# Altium PCB VOU_SOM_CV_V0.0.1.PcbDoc (part 2 of 5) (continued)
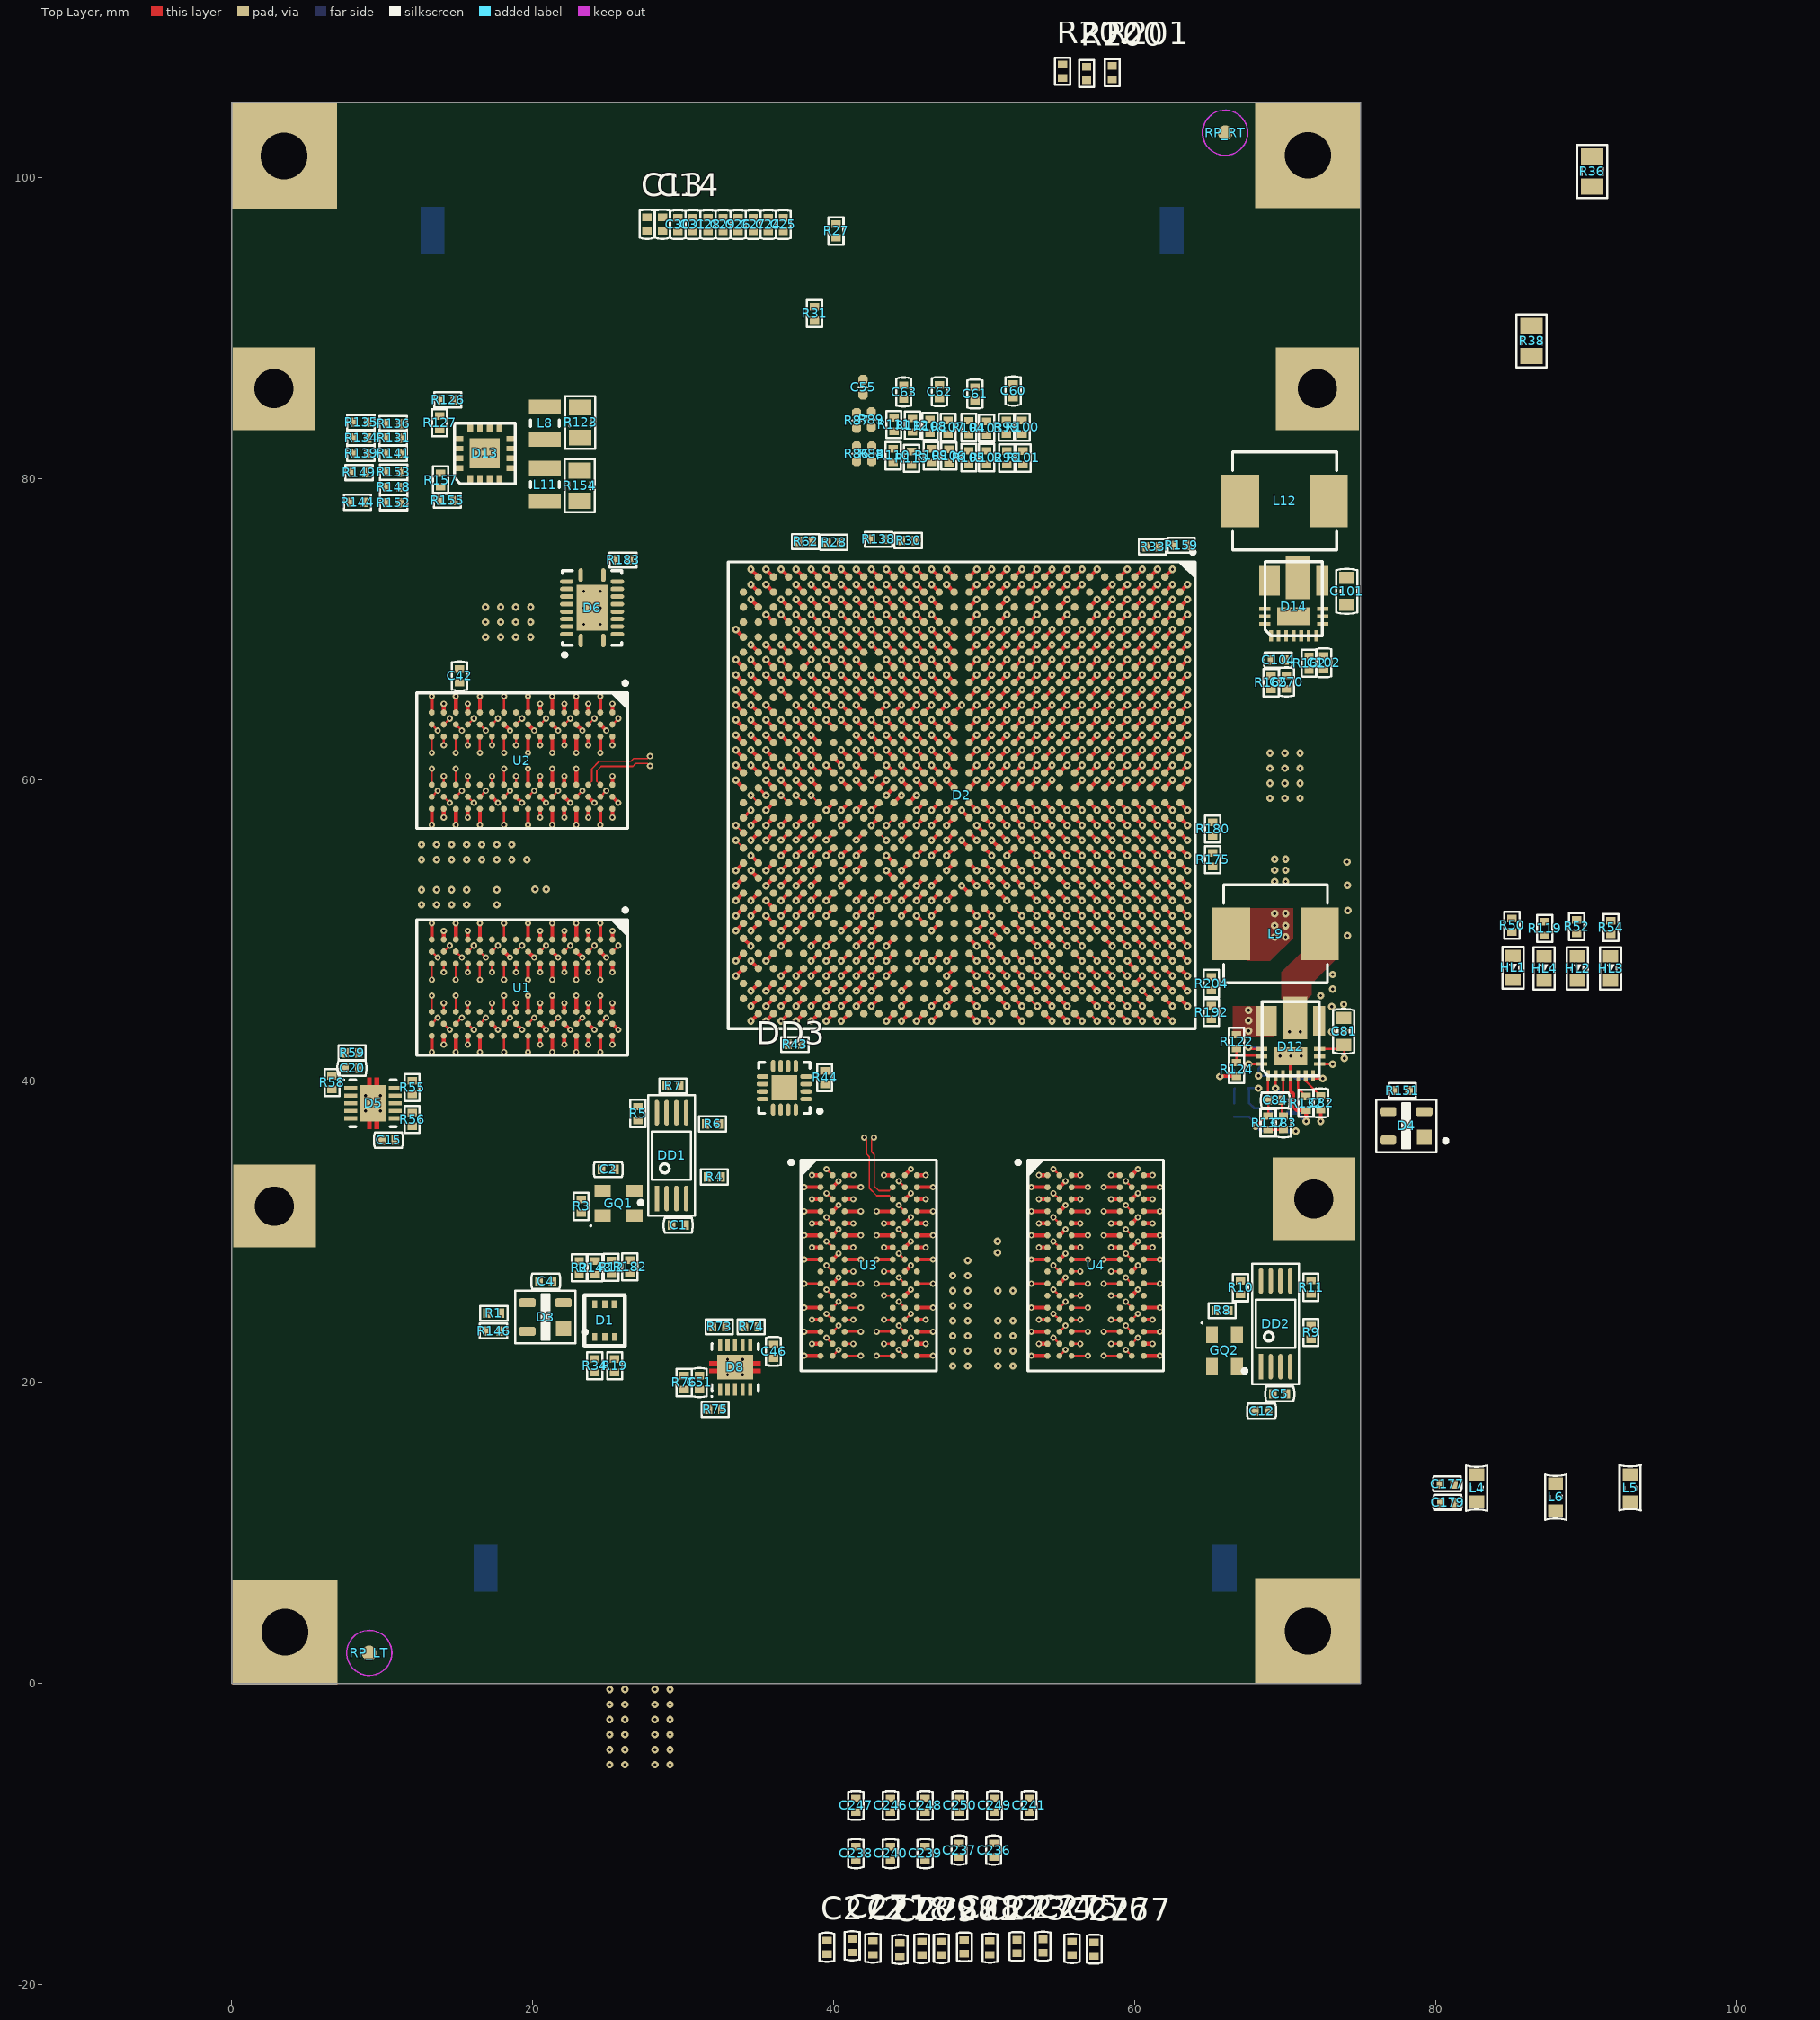
[diagram p0: Top Layer view]
## Footprints (in the part's own frame and the unit in brackets; to place one, negate y for a bottom-side part, rotate by r counter-clockwise, add the part's x,y. Pads: shape width x height; smd on the part's side, far side on the other; paste and mask are expansions set on the pad) (continued)
DCKR [mm]
  rect 0.35x0.5 smd: 1(0.025,-0.813) 2(0.66,-0.813) 3(1.321,-0.813) 4(1.321,1.372) 5(0.66,1.372) 6(0,1.372)
  silkscreen extent -0.69,-1.4 2.01,1.96, body extent -0.34,-0.92 1.66,1.48, height 1.1
DFN210P320X100-4N [mm]
  rect 1.1x0.8 smd: 1(-1.05,-0.825) 2(1.05,-0.825) 3(1.05,0.825) 4(-1.05,0.825)
  silkscreen extent -1.88,-1.54 -1.79,-1.44, body extent -1.6,-1.25 1.6,1.25, height 1
FX10A-168S-SV [mm]
  rect 0.3x1.6 smd mask+0.05: 1(20.745,-3.135) 2(20.745,3.105) 3(20.245,-3.135) 4(20.245,3.105) 5(19.745,-3.135) 6(19.745,3.105) 7(19.245,-3.135) 8(19.245,3.105) 9(18.745,-3.135) 10(18.745,3.105) 11(18.245,-3.135) 12(18.245,3.105) 13(17.745,-3.135) 14(17.745,3.105) 15(17.245,-3.135) 16(17.245,3.105) 17(16.745,-3.135) 18(16.745,3.105) 19(16.245,-3.135) 20(16.245,3.105) 21(15.745,-3.135) 22(15.745,3.105) 23(15.245,-3.135) 24(15.245,3.105) 25(14.745,-3.135) 26(14.745,3.105) 27(14.245,-3.135) 28(14.245,3.105) 29(13.745,-3.135) 30(13.745,3.105) 31(13.245,-3.135) 32(13.245,3.105) 33(12.745,-3.135) 34(12.745,3.105) 35(12.245,-3.135) 36(12.245,3.105) 37(11.745,-3.135) 38(11.745,3.105) 39(11.245,-3.135) 40(11.245,3.105) 41(10.745,-3.135) 42(10.745,3.105) 43(10.245,-3.135) 44(10.245,3.105) 45(9.745,-3.135) 46(9.745,3.105) 47(9.245,-3.135) 48(9.245,3.105) 49(8.745,-3.135) 50(8.745,3.105) 51(8.245,-3.135) 52(8.245,3.105) 53(7.745,-3.135) 54(7.745,3.105) 55(7.245,-3.135) 56(7.245,3.105) 57(6.745,-3.135) 58(6.745,3.105) 59(6.245,-3.135) 60(6.245,3.105) 61(5.745,-3.135) 62(5.745,3.105) 63(5.245,-3.135) 64(5.245,3.105) 65(4.745,-3.135) 66(4.745,3.105) 67(4.245,-3.135) 68(4.245,3.105) 69(3.745,-3.135) 70(3.745,3.105) 71(3.245,-3.135) 72(3.245,3.105) 73(2.745,-3.135) 74(2.745,3.105) 75(2.245,-3.135) 76(2.245,3.105) 77(1.745,-3.135) 78(1.745,3.105) 79(1.245,-3.135) 80(1.245,3.105) 81(0.745,-3.135) 82(0.745,3.105) 83(0.245,-3.135) 84(0.245,3.105) 85(-0.255,-3.135) 86(-0.255,3.105) 87(-0.755,-3.135) 88(-0.755,3.105) 89(-1.255,-3.135) 90(-1.255,3.105) 91(-1.755,-3.135) 92(-1.755,3.105) 93(-2.255,-3.135) 94(-2.255,3.105) 95(-2.755,-3.135) 96(-2.755,3.105) 97(-3.255,-3.135) 98(-3.255,3.105) 99(-3.755,-3.135) 100(-3.755,3.105) 101(-4.255,-3.135) 102(-4.255,3.105) 103(-4.755,-3.135) 104(-4.755,3.105) 105(-5.255,-3.135) 106(-5.255,3.105) 107(-5.755,-3.135) 108(-5.755,3.105) 109(-6.255,-3.135) 110(-6.255,3.105) 111(-6.755,-3.135) 112(-6.755,3.105) 113(-7.255,-3.135) 114(-7.255,3.105) 115(-7.755,-3.135) 116(-7.755,3.105) 117(-8.255,-3.135) 118(-8.255,3.105) 119(-8.755,-3.135) 120(-8.755,3.105) 121(-9.255,-3.135) 122(-9.255,3.105) 123(-9.755,-3.135) 124(-9.755,3.105) 125(-10.255,-3.135) 126(-10.255,3.105) 127(-10.755,-3.135) 128(-10.755,3.105) 129(-11.255,-3.135) 130(-11.255,3.105) 131(-11.755,-3.135) 132(-11.755,3.105) 133(-12.255,-3.135) 134(-12.255,3.105) 135(-12.755,-3.135) 136(-12.755,3.105) 137(-13.255,-3.135) 138(-13.255,3.105) 139(-13.755,-3.135) 140(-13.755,3.105) 141(-14.255,-3.135) 142(-14.255,3.105) 143(-14.755,-3.135) 144(-14.755,3.105) 145(-15.255,-3.135) 146(-15.255,3.105) 147(-15.755,-3.135) 148(-15.755,3.105) 149(-16.255,-3.135) 150(-16.255,3.105) 151(-16.755,-3.135) 152(-16.755,3.105) 153(-17.255,-3.135) 154(-17.255,3.105) 155(-17.755,-3.135) 156(-17.755,3.105) 157(-18.255,-3.135) 158(-18.255,3.105) 159(-18.755,-3.135) 160(-18.755,3.105) 161(-19.255,-3.135) 162(-19.255,3.105) 163(-19.755,-3.135) 164(-19.755,3.105) 165(-20.255,-3.135) 166(-20.255,3.105) 167(-20.755,-3.135) 168(-20.755,3.105)
  Top Layer region: 23.75,-1.55 23.75,1.55 25.35,1.55 25.35,-1.55
  Top Layer region: -25.35,-1.55 -25.35,1.55 -23.75,1.55 -23.75,-1.55
  silkscreen extent -24.55,-4.82 24.55,4.27, body extent -24.55,-3.65 24.55,3.65, height 3.17
IHPL2525 [mm]
  rect 2.5x3.5 smd: 1(-2.95,0) 2(2.95,0)
  silkscreen extent -3.45,-3.25 3.45,3.25, body extent -3.43,-3.23 3.43,3.23, height 3
INDC2720X12L [mm]
  rect 0.99x2.12 smd: 1(-1.085,0) 2(1.085,0)
  silkscreen extent -0.2,-0.96 0.2,0.96, body extent -1.4,-1.1 1.4,1.1, height 1.2
IR3859 [mm]
  rect 0.75x0.25 smd: 1(0,0) 2(0,-0.5) 3(0,-1) 4(0,-1.5) 5(0,-2) 6(0,-2.5) 7(0,-3)
  rect 0.25x0.75 smd: 8(0.78,-3.425) 9(1.28,-3.425) 10(1.78,-3.425) 14(1.78,0.425) 15(1.28,0.425) 16(0.78,0.425)
  rect 1.95x0.8 smd: 11(3.65,-3.395)
  rect 2.82x1.62 smd: 12(3.84,-1.785)
  rect 1.95x1.37 smd: 13(3.65,0.115)
  rect 1.2x2.19 smd: 17(1.3,-1.5)
  silkscreen extent 0,-3.41 4.91,0.41, body extent 0,-3.41 4.91,0.43, height 1
LED0603_GREEN [mm]
  rect 0.8x1 smd: 1(-0.8,0) 2(0.8,0)
  silkscreen extent -1.4,-0.7 1.4,0.7, body extent -0.81,-0.4 0.81,0.4, height 1.1
LED0603_RED [mm]
  rect 0.8x1 smd: 1(-0.8,0) 2(0.8,0)
  silkscreen extent -1.4,-0.7 1.4,0.7, body extent -0.81,-0.4 0.81,0.4, height 1.1
LED0603_YELLOW [mm]
  rect 0.8x1 smd: 1(-0.8,0) 2(0.8,0)
  silkscreen extent -1.4,-0.7 1.4,0.7, body extent -0.81,-0.4 0.81,0.4, height 1.1
MICT-HA-96 [mm]
  round 0.4 smd: A1(-3.2,6) A2(-2.4,6) A3(-1.6,6) A7(1.6,6) A8(2.4,6) A9(3.2,6) B1(-3.2,5.2) B2(-2.4,5.2) B3(-1.6,5.2) B7(1.6,5.2) B8(2.4,5.2) B9(3.2,5.2) C1(-3.2,4.4) C2(-2.4,4.4) C3(-1.6,4.4) C7(1.6,4.4) C8(2.4,4.4) C9(3.2,4.4) D1(-3.2,3.6) D2(-2.4,3.6) D3(-1.6,3.6) D7(1.6,3.6) D8(2.4,3.6) D9(3.2,3.6) E1(-3.2,2.8) E2(-2.4,2.8) E3(-1.6,2.8) E7(1.6,2.8) E8(2.4,2.8) E9(3.2,2.8) F1(-3.2,2) F2(-2.4,2) F3(-1.6,2) F7(1.6,2) F8(2.4,2) F9(3.2,2) G1(-3.2,1.2) G2(-2.4,1.2) G3(-1.6,1.2) G7(1.6,1.2) G8(2.4,1.2) G9(3.2,1.2) H1(-3.2,0.4) H2(-2.4,0.4) H3(-1.6,0.4) H7(1.6,0.4) H8(2.4,0.4) H9(3.2,0.4) J1(-3.2,-0.4) J2(-2.4,-0.4) J3(-1.6,-0.4) J7(1.6,-0.4) J8(2.4,-0.4) J9(3.2,-0.4) K1(-3.2,-1.2) K2(-2.4,-1.2) K3(-1.6,-1.2) K7(1.6,-1.2) K8(2.4,-1.2) K9(3.2,-1.2) L1(-3.2,-2) L2(-2.4,-2) L3(-1.6,-2) L7(1.6,-2) L8(2.4,-2) L9(3.2,-2) M1(-3.2,-2.8) M2(-2.4,-2.8) M3(-1.6,-2.8) M7(1.6,-2.8) M8(2.4,-2.8) M9(3.2,-2.8) N1(-3.2,-3.6) N2(-2.4,-3.6) N3(-1.6,-3.6) N7(1.6,-3.6) N8(2.4,-3.6) N9(3.2,-3.6) P1(-3.2,-4.4) P2(-2.4,-4.4) P3(-1.6,-4.4) P7(1.6,-4.4) P8(2.4,-4.4) P9(3.2,-4.4) R1(-3.2,-5.2) R2(-2.4,-5.2) R3(-1.6,-5.2) R7(1.6,-5.2) R8(2.4,-5.2) R9(3.2,-5.2) T1(-3.2,-6) T2(-2.4,-6) T3(-1.6,-6) T7(1.6,-6) T8(2.4,-6) T9(3.2,-6)
  silkscreen extent -5.27,-7 4.5,7, body extent -4.5,-7 4.5,7, height 0.1
QFN50P300X300X100_HS-17N [mm] "QFN, 16-Leads, Body 3,00x3,00mm, Pitch 0,50mm, Thermal Pad 1,68x1,68mm, IPC Medium Density"
  oval 0.8x0.3 smd: 1(-1.45,0.75) 2(-1.45,0.25) 3(-1.45,-0.25) 4(-1.45,-0.75) 9(1.45,-0.75) 10(1.45,-0.25) 11(1.45,0.25) 12(1.45,0.75)
  oval 0.3x0.8 smd: 5(-0.75,-1.45) 6(-0.25,-1.45) 7(0.25,-1.45) 8(0.75,-1.45) 13(0.75,1.45) 14(0.25,1.45) 15(-0.25,1.45) 16(-0.75,1.45)
  rect 1.68x1.68 smd: 17(0,0)
  silkscreen extent -2.48,-1.7 1.7,1.7, body extent -1.55,-1.55 1.55,1.55, height 1
QFN50P450X350X100_HS-21N [mm]
  oval 0.9x0.3 smd: 1(-2.175,0.75) 2(-2.175,-0.75) 11(2.175,-0.75) 12(2.175,0.75)
  oval 0.3x0.9 smd: 3(-1.75,-1.675) 4(-1.25,-1.675) 5(-0.75,-1.675) 6(-0.25,-1.675) 7(0.25,-1.675) 8(0.75,-1.675) 9(1.25,-1.675) 10(1.75,-1.675) 13(1.75,1.675) 14(1.25,1.675) 15(0.75,1.675) 16(0.25,1.675) 17(-0.25,1.675) 18(-0.75,1.675) 19(-1.25,1.675) 20(-1.75,1.675)
  rect 3.05x2.05 smd: 21(0,0)
  silkscreen extent -3.25,-1.97 2.48,1.97, body extent -2.32,-1.83 2.33,1.83, height 1
Reper-Normal [mm]
  round 1 smd mask+1: 0(0,0)
  Top Layer keep-out circle w0.1: c0,0 r1.5
RT8012AGQW [mm]
  rect 0.6x0.38 smd: 1(-0.1,0) 2(-0.1,-0.65) 3(-0.1,-1.3) 4(-0.1,-1.95) 9(3.35,-1.95) 10(3.35,-1.3) 11(3.35,-0.65) 12(3.35,0)
  rect 0.38x0.6 smd: 5(0.65,-2.7) 6(1.3,-2.7) 7(1.95,-2.7) 8(2.6,-2.7) 13(2.6,0.75) 14(1.95,0.75) 15(1.3,0.75) 16(0.65,0.75)
  rect 2x2 smd: 17(1.625,-0.975)
  silkscreen extent -0.39,-2.99 3.63,1.04, body extent -0.4,-2.99 3.63,1.05, height 0.8
SON127P800X80_HS-9N [mm]
  rect 1.05x0.4 smd: 1(-3.87,1.905) 2(-3.87,0.635) 3(-3.87,-0.635) 4(-3.87,-1.905) 5(3.87,-1.905) 6(3.87,-0.635) 7(3.87,0.635) 8(3.87,1.905)
  rect 3.4x4.3 smd paste-1.7: 9(0,0)
  silkscreen extent -4.7,-3.25 4.25,3.3, body extent -4.1,-3.1 4.1,3.1, height 0.8
SOT-143 [mm]
  rect 1x1 smd: 1(-1.2,0.75)
  rrect50% 1.1x0.6 smd: 2(-1.2,-0.95) 3(1.2,-0.95) 4(1.2,0.95)
  silkscreen extent -2.75,-1.75 2,1.75, body extent -1.25,-1.5 1.25,1.5, height 1.1
TI-DRC10-2400X1650TP_V [mm]
  rect 0.85x0.28 smd: 1(-1.475,1) 2(-1.475,0.5) 3(-1.475,0) 4(-1.475,-0.5) 5(-1.475,-1) 6(1.475,-1) 7(1.475,-0.5) 8(1.475,0) 9(1.475,0.5) 10(1.475,1)
  rect 1.65x2.4 smd: 11(0,0)
  Top Layer region: -0.11,1.2 -0.11,1.7 -0.39,1.7 -0.39,1.2
  Top Layer region: 0.11,-1.2 0.11,-1.7 0.39,-1.7 0.39,-1.2
  Top Layer region: -0.11,-1.2 -0.11,-1.7 -0.39,-1.7 -0.39,-1.2
  Top Layer region: 0.11,1.2 0.11,1.7 0.39,1.7 0.39,1.2
  silkscreen extent -2,-1.55 1.55,1.6, body extent -1.5,-1.5 1.5,1.5, height 1
TSSOP-8 [mm] "TSOP, 8-Leads, Body 3.0x4.4mm, Pitch 0.65mm, IPC Medium Density"
  rect 1.7x0.3 smd: 1(-2.85,0.975)
  oval 1.7x0.3 smd: 2(-2.85,0.325) 3(-2.85,-0.325) 4(-2.85,-0.975) 5(2.85,-0.975) 6(2.85,-0.325) 7(2.85,0.325) 8(2.85,0.975)
  silkscreen extent -4,-1.55 4,2.17, body extent -3.2,-1.5 3.2,1.5, height 1.2
YC248 [mm] "8 chip array resistor pitch 0.5mm"
  rect 0.3x0.75 smd mask+0.05: 1(-1.75,-0.625) 2(-1.25,-0.625) 3(-0.75,-0.625) 4(-0.25,-0.625) 5(0.25,-0.625) 6(0.75,-0.625) 7(1.25,-0.625) 8(1.75,-0.625) 9(1.75,0.625) 10(1.25,0.625) 11(0.75,0.625) 12(0.25,0.625) 13(-0.25,0.625) 14(-0.75,0.625) 15(-1.25,0.625) 16(-1.75,0.625)
  silkscreen extent -2.1,-1.2 2.1,1.2, body extent -2,-0.8 2,0.8, height 0.45

## Part data
C1 C2 C3 C4 C5 C9 C10 C11 C12 C13 C14 C15 C16 C17 C18 C19 C20 C24 C25 C26 C27 C28 C29 C30 C31 C34 C35 C42 C46 C47 C48 C49 C50 C51 C52 C53 C54 C55 C56 C57 C60 C61 C62 C63 C64 C70 C74 C82 C83 C84 C93 C94 C102 C103 C104 C105 C106 C107 C108 C109 C110 C111 C112 C113 C114 C115 C116 C117 C118 C119 C120 C121 C122 C123 C124 C125 C126 C127 C128 C129 C130 C131 C132 C133 C134 C135 C136 C137 C138 C139 C140 C141 C142 C143 C144 C145 C146 C147 C148 C149 C150 C151 C152 C153 C154 C155 C156 C157 C158 C159 C160 C161 C164 C165 C166 C167 C168 C169 C170 C171 C172 C173 C174 C175 C176 C177 C178 C179 C180 C181 C182 C183 C184 C185 C186 C187 C188 C189 C190 C191 C192 C193 C194 C195 C196 C197 C198 C199 C200 C201 C206 C207 C208 C209 C210 C211 C212 C213 C214 C215 C216 C217 C218 C219 C220 C221 C222 C223 C224 C225 C226 C227 C228 C229 C230 C231 C232 C233 C234 C235 C236 C237 C238 C239 C240 C241 C242 C243 C244 C245 C246 C247 C248 C249 C250 C251 C252 C253 C254 C255 C256 C257 C258 C259 C260 C261 C262 C263 C264 C265 C266 C267 C269 C270 C271 C272 C273 C274 C275 C276 C277 C278 C279 C280 C281 C282: library part CC0402-X7R-#-20%-10В, "Чип конденсатор керамический"
C6 C7 C8 C43 C44 C45: "Чип конденсатор керамический"
C68 C69 C72 C73 C75 C76 C77 C78 C79 C80 C81 C87 C88 C89 C90 C91 C92 C95 C96 C97 C98 C99 C100 C101 C162 C163 C268: library part CC0603-X5R-#-20%-6,3В, "Чип конденсатор керамический"
C202 C203 C204 C205: library part CC0805-X7R-#-20%-25В, "Чип конденсатор керамический"
D1: library part IC_TI_SN74LVC2G07, "Dual Buffer and Driver With Open-Drain Outputs"
D2: "Cyclone V SX Family FPGA, 1.07 to 1.13 V Supply, 288 I/O Pins, 6 PLLs, 896-Pin FBGA, Speed Grade 7, Industrial Grade, RoHS Compliant"
D3 D4: library part IC_AD_ADM811TARTZ, "Microprocessor Supervisory Circuit in 3-Pin SOT-23"
D5 D8: "Single Output LDO, 3 A, 2.375 to 3.5 V Input, with DDR Termination, 10-pin SON (DRC), -40 to 85 degC, Green (RoHS & no Sb/Br)"
D6: "8-Bit Bidirectional Voltage-Level Translator with Auto Direction Sensing and +/-15-kV ESD Protect, VQFN-20 LARGE T&R"
D7 D9: "512 Mb (x1/x2/x4) Serial NOR Flash Memory with Multi I/O, 108 MHz, 2.7 to 3.6 V, 16-pin SO16 Wide (SF), Tape & Reel"
D12 D14: library part IR3859MPbF, "IC REG BUCK ADJ 9A SYNC 17PQFN"
DD1 DD2: "High-Performance  Clock Buffer 1:4"
DD3: "Dual 1:2 Low Additive Jitter LVDS Buffer"
GQ1 GQ2: library part OSC-ABRCN-ASE3, "Dual High Side Switch With OC_DET 500mA/CH"
HL1: "Светодиод красный SMD0603"
HL2: "Светодиод желтый SMD0603"
HL3 HL4: "Светодиод зеленый SMD0603"
L1 L2: library part BLM21, "Чип индуктивность подавления EMP"
L3 L4 L5 L6 L13: library part BLM18, "Чип индуктивность подавления EMP"
L8 L11: library part L_VISH_IIHHP1008ABE_1, "FIXED IND 1.5UH 2.4A 96 MOHM SMD"
L9 L12: library part L_VISH_IHLP2525CZERR68M01, "FIXED IND 680NH 15.5A 5.5 MOHM"
R1 R2 R3 R4 R5 R6 R7 R8 R9 R10 R11 R12 R13 R18 R19 R27 R28 R30 R31 R32 R33 R34 R35 R37 R39 R43 R44 R45 R47 R48 R49 R50 R51 R52 R53 R54 R55 R56 R57 R58 R59 R62 R63 R67 R68 R69 R70 R71 R72 R73 R74 R75 R76 R77 R78 R79 R80 R81 R82 R83 R84 R85 R86 R87 R88 R89 R90 R91 R92 R93 R94 R95 R96 R97 R98 R99 R100 R101 R102 R103 R104 R105 R106 R107 R108 R109 R110 R111 R112 R113 R114 R115 R116 R117 R118 R119 R120 R131 R134 R135 R136 R138 R139 R141 R143 R144 R146 R147 R148 R149 R150 R151 R152 R153 R168 R174 R175 R176 R177 R178 R179 R180 R181 R182 R183 R184 R185 R186 R187 R190 R191 R192 R193 R194 R195 R196 R197 R198 R199 R200 R201 R202 R204: library part CR0402-#-±5%, "Чип резистор"
R14 R15 R16 R17 R20 R21 R22 R23 R24 R25 R26 R29 R40 R41 R42 R64 R65 R66: library part YC248-JR-07-#, "Набор чип резисторов"
R36 R38 R121 R123 R125 R154 R156 R158: library part CR0805-#-±5%, "Чип резистор"
R122 R124 R126 R127 R128 R129 R130 R132 R133 R137 R140 R142 R145 R155 R157 R159 R160 R161 R162 R164 R165 R166 R167: library part CR0402-#-±1%, "Чип резистор"
RP_BL RP_BR RP_LT RP_RT: library part Reper, "Стабилизатор положительного напряжения"
U1 U2 U3 U4: "4Gb DDR3-1600 SDRAM, 256Mb x 16, 1.25ns, 1.35V, -40 to 95 degC, 96-Ball FBGA, Pb-Free"

## Free pads (board coordinates)
  rect 5.5x5.5 hole 2.6: 1(2.825,86) 2(2.85,31.725) 3(71.9,32.2) 4(72.125,86)
  rect 7x7 hole 3.1: 1(3.5,101.45) 2(3.55,3.425) 3(71.5,3.5) 4(71.5,101.5)

## Via types
v1: diameter 0.5, hole 0.2, Top Layer to Bottom Layer, 953 vias
v2: diameter 0.42, hole 0.2, Top Layer to Bottom Layer, 364 vias

## Nets (pads, with @x,y where several pads share a name; then routed paths per layer and width w, separated by ;. In a path a pad name is that pad's centre, name@x,y a point inside that pad or via, vN(x,y) a via of type N, cw(c..) or ccw(c..) an arc to the next point about the centre after c; other vN are vias at no path point)
1V1_PEN: D14.15 R135.2
1V1_POK: D14.8 R149.1
1V5_PEN: D13.15 R141.2
1V5_POK: D13.13 R153.1
2V5_PEN: D13.11 R136.2
2V5_POK: D13.1 R152.1
3V3_POK: D12.8 R134.1 | length 0.9
  Top Layer w0.15: D12.8@72.275,41.155 73.145,41.155 v1(73.15,41.15)
CVP_CD: D2.AH29 R51.2 | length 0.7
  Top Layer w0.25: v1(35.5,45) D2.AH29@36,45.5
DBG_LED#0: D2.AG27 HL1.2 | length 0.7
  Top Layer w0.25: v1(36.5,47) D2.AG27@37,47.5
DBG_LED#1: D2.AJ29 HL2.2 | length 0.7
  Top Layer w0.25: v1(34.5,45) D2.AJ29@35,45.5
DBG_LED#2: D2.AC28 D2.AE26 HL3.2 | length 1.4
  Top Layer w0.25: v1(38.5,48) D2.AE26@39,48.5 ; v1(40.5,46) D2.AC28@41,46.5
DBG_LED#3: D2.AC29 D2.AD7 HL4.2 | length 1.4
  Top Layer w0.25: v1(39.5,68) D2.AD7@40,67.5 ; v1(40.5,45) D2.AC29@41,45.5
DDR3_VREF_FPGA: C15.1 C167.1 D2.AJ15 D2.AK17 D5.6 U1.H1 U1.M8 U2.H1 U2.M8 | length 4.7
  Top Layer w0.15: U1.M8@16.5,43.825 v2(16.9,44.225) ; U2.M8@16.5,58.9 v2(16.9,59.3)
  Top Layer w0.2: D2.AK17@34,57.5 v1(34.5,58) ; D2.AJ15@35,59.5 v1(35.5,59)
  Top Layer w0.25: U1.H1@19.7,49.425 v2(19.7,50.5) ; U2.H1@19.7,64.5 v2(19.7,65.575)
DDR3_VREF_HPS: C46.1 D2.G27 D2.U30 D8.6 U3.H1 U3.M8 U4.H1 U4.M8 | length 4.7
  Top Layer w0.15: v2(44.325,25.375) U3.M8@44.725,24.975 ; v2(59.4,25.375) U4.M8@59.8,24.975
  Top Layer w0.25: v2(38.05,28.175) U3.H1@39.125,28.175 ; v1(46.5,44) D2.U30@47,44.5 ; v2(53.125,28.175) U4.H1@54.2,28.175 ; D2.G27@57,47.5 v1(57.5,47)
DDR3_VTT_FPGA: C6.5 C6.6 C6.7 C6.8 C7.5 C7.6 C7.7 C7.8 C8.5 C8.6 C8.7 C8.8 C17.1 C18.1 D5.3 D5.5 R40.9 R40.10 R40.11 R40.12 R40.13 R40.14 R40.15 R40.16 R41.9 R41.10 R41.11 R41.12 R41.13 R41.14 R41.15 R41.16 R42.9 R42.10 R42.11 R42.12 R42.13 R42.14 R42.15 R42.16
DDR3_VTT_HPS: C43.5 C43.6 C43.7 C43.8 C44.5 C44.6 C44.7 C44.8 C45.5 C45.6 C45.7 C45.8 C48.1 C49.1 D8.3 D8.5 R64.9 R64.10 R64.11 R64.12 R64.13 R64.14 R64.15 R64.16 R65.9 R65.10 R65.11 R65.12 R65.13 R65.14 R65.15 R65.16 R66.9 R66.10 R66.11 R66.12 R66.13 R66.14 R66.15 R66.16
DEV_CLR: D2.AD27 R143.2 | length 0.7
  Top Layer w0.25: v1(39.5,47) D2.AD27@40,47.5
EPCQ_CK: D2.U7 D6.7 | length 0.7
  Top Layer w0.25: v1(46.5,68) D2.U7@47,67.5
EPCQ_CK_: D6.14 R191.2
EPCQ_CS#: D2.AB8 D6.6 | length 0.7
  Top Layer w0.25: v1(41.5,67) D2.AB8@42,66.5
EPCQ_CS#_: D6.15 D7.1
EPCQ_D0: D2.AE6 D6.1 | length 0.7
  Top Layer w0.25: v1(38.5,69) D2.AE6@39,68.5
EPCQ_D0_: D6.20 D7.5
EPCQ_D1: D2.AE5 D6.3 | length 0.7
  Top Layer w0.25: v1(38.5,70) D2.AE5@39,69.5
EPCQ_D1_: D6.18 D7.7
EPCQ_D2: D2.AE8 D6.4 | length 0.7
  Top Layer w0.25: v1(38.5,67) D2.AE8@39,66.5
EPCQ_D2_: D6.17 D7.3
EPCQ_D3: D2.AC7 D6.5 | length 0.7
  Top Layer w0.25: v1(40.5,68) D2.AC7@41,67.5
EPCQ_D3_: D6.16 D7.2
EXT_PEN: R139.1 X1.117
EXT_RST#: R1.1 R146.1 X1.115
FPGA_CFG2V5_IO_0: D2.A4 R29.9 | length 0.7
  Top Layer w0.25: D2.A4@63,70.5 v1(63.5,71)
FPGA_CFG2V5_IO_1: D2.A3 R29.10 | length 0.7
  Top Layer w0.25: D2.A3@63,71.5 v1(63.5,72)
FPGA_CFG2V5_IO_2: D2.D6 R29.11 | length 0.7
  Top Layer w0.25: D2.D6@60,68.5 v1(60.5,69)
FPGA_CFG2V5_IO_3: D2.C5 R29.12 | length 0.7
  Top Layer w0.25: D2.C5@61,69.5 v1(61.5,70)
FPGA_CFG2V5_IO_4: D2.D5 R29.13 | length 0.7
  Top Layer w0.25: D2.D5@60,69.5 v1(60.5,70)
FPGA_CFG2V5_IO_5: D2.C4 R29.14 | length 0.7
  Top Layer w0.25: D2.C4@61,70.5 v1(61.5,71)
FPGA_CFG2V5_IO_6: D2.E8 R29.15 | length 0.7
  Top Layer w0.25: D2.E8@59,66.5 v1(59.5,67)
FPGA_CFG2V5_IO_7: D2.D7 R29.16 | length 0.7
  Top Layer w0.25: D2.D7@60,67.5 v1(60.5,68)
FPGA_CFG2V5_IO_8: D2.B2 R21.9 | length 0.7
  Top Layer w0.25: D2.B2@62,72.5 v1(62.5,73)
FPGA_CFG2V5_IO_9: D2.B1 R21.10 | length 0.7
  Top Layer w0.25: D2.B1@62,73.5 v1(62.5,74)
FPGA_CFG2V5_IO_10: D2.C3 R21.11 | length 0.7
  Top Layer w0.25: D2.C3@61,71.5 v1(61.5,72)
FPGA_CFG2V5_IO_11: D2.B3 R21.12 | length 0.7
  Top Layer w0.25: D2.B3@62,71.5 v1(62.5,72)
FPGA_CFG2V5_IO_12: D2.D2 R21.13 | length 0.7
  Top Layer w0.25: D2.D2@60,72.5 v1(60.5,73)
FPGA_CFG2V5_IO_13: D2.C2 R21.14 | length 0.7
  Top Layer w0.25: D2.C2@61,72.5 v1(61.5,73)
FPGA_CFG2V5_IO_14: D2.E4 R21.15 | length 0.7
  Top Layer w0.25: D2.E4@59,70.5 v1(59.5,71)
FPGA_CFG2V5_IO_15: D2.D4 R21.16 | length 0.7
  Top Layer w0.25: D2.D4@60,70.5 v1(60.5,71)
FPGA_CFG2V5_IO_16: D2.E3 R26.9 | length 0.7
  Top Layer w0.25: D2.E3@59,71.5 v1(59.5,72)
FPGA_CFG2V5_IO_17: D2.E2 R26.10 | length 0.7
  Top Layer w0.25: D2.E2@59,72.5 v1(59.5,73)
FPGA_CFG2V5_IO_18: D2.E1 R26.11 | length 0.7
  Top Layer w0.25: D2.E1@59,73.5 v1(59.5,74)
FPGA_CFG2V5_IO_19: D2.D1 R26.12 | length 0.7
  Top Layer w0.25: D2.D1@60,73.5 v1(60.5,74)
FPGA_CFG2V5_IO_20: D2.E7 R26.13 | length 0.7
  Top Layer w0.25: D2.E7@59,67.5 v1(59.5,68)
FPGA_CFG2V5_IO_21: D2.E6 R26.14 | length 0.7
  Top Layer w0.25: D2.E6@59,68.5 v1(59.5,69)
FPGA_CFG2V5_IO_22: D2.G7 R26.15 | length 0.7
  Top Layer w0.25: D2.G7@57,67.5 v1(57.5,68)
FPGA_CFG2V5_IO_23: D2.F6 R26.16 | length 0.7
  Top Layer w0.25: D2.F6@58,68.5 v1(58.5,69)
FPGA_CFG2V5_IO_24: D2.AF29 R20.8 | length 0.7
  Top Layer w0.25: v1(37.5,45) D2.AF29@38,45.5
FPGA_CFG2V5_IO_25: D2.AF30 R20.7 | length 0.7
  Top Layer w0.25: v1(37.5,44) D2.AF30@38,44.5
FPGA_CFG2V5_IO_26: D2.AA25 R20.6 | length 0.7
  Top Layer w0.25: v1(42.5,49) D2.AA25@43,49.5
FPGA_CFG2V5_IO_27: D2.AB26 R20.5 | length 0.7
  Top Layer w0.25: v1(41.5,48) D2.AB26@42,48.5
FPGA_CFG2V5_IO_28: D2.AD11 | length 0.7
  Top Layer w0.25: v1(39.5,64) D2.AD11@40,63.5
FPGA_CFG2V5_IO_29: D2.AE12 | length 0.7
  Top Layer w0.25: v1(38.5,63) D2.AE12@39,62.5
FPGA_CFG2V5_IO_30: D2.AC9 | length 0.7
  Top Layer w0.25: v1(40.5,66) D2.AC9@41,65.5
FPGA_CFG2V5_IO_31: D2.AD10 | length 0.7
  Top Layer w0.25: v1(39.5,65) D2.AD10@40,64.5
FPGA_CFG2V5_IO_32: D2.AG1 | length 0.7
  Top Layer w0.25: v1(36.5,74) D2.AG1@37,73.5
FPGA_CFG2V5_IO_33: D2.AH2 | length 0.7
  Top Layer w0.25: v1(35.5,73) D2.AH2@36,72.5
FPGA_CFG2V5_IO_34: D2.AA12 | length 0.7
  Top Layer w0.25: v1(42.5,63) D2.AA12@43,62.5
FPGA_CFG2V5_IO_35: D2.AB12 | length 0.7
  Top Layer w0.25: v1(41.5,63) D2.AB12@42,62.5
FPGA_CFG2V5_IO_36: D2.AJ1 | length 0.7
  Top Layer w0.25: v1(34.5,74) D2.AJ1@35,73.5
FPGA_CFG2V5_IO_37: D2.AJ2 | length 0.7
  Top Layer w0.25: v1(34.5,73) D2.AJ2@35,72.5
FPGA_CFG2V5_IO_38: D2.AD9 | length 0.7
  Top Layer w0.25: v1(39.5,66) D2.AD9@40,65.5
FPGA_CFG2V5_IO_39: D2.AE9 | length 0.7
  Top Layer w0.25: v1(38.5,66) D2.AE9@39,65.5
FPGA_CFG2V5_IO_40: D2.AE11 | length 0.7
  Top Layer w0.25: v1(38.5,64) D2.AE11@39,63.5
FPGA_CFG2V5_IO_41: D2.AF10 | length 0.7
  Top Layer w0.25: v1(37.5,65) D2.AF10@38,64.5
FPGA_CFG2V5_IO_42: D2.AG3 | length 0.7
  Top Layer w0.25: v1(36.5,72) D2.AG3@37,71.5
FPGA_CFG2V5_IO_43: D2.AH4 | length 0.7
  Top Layer w0.25: v1(35.5,71) D2.AH4@36,70.5
FPGA_CFG2V5_IO_44: D2.AF8 | length 0.7
  Top Layer w0.25: v1(37.5,67) D2.AF8@38,66.5
FPGA_CFG2V5_IO_45: D2.AG7 | length 0.7
  Top Layer w0.25: v1(36.5,68) D2.AG7@37,67.5
FPGA_CFG2V5_IO_46: D2.AF6 | length 0.7
  Top Layer w0.25: v1(37.5,69) D2.AF6@38,68.5
FPGA_CFG2V5_IO_47: D2.AG6 | length 0.7
  Top Layer w0.25: v1(36.5,69) D2.AG6@37,68.5
FPGA_CFG2V5_IO_R_0: R29.8 X2.45
FPGA_CFG2V5_IO_R_1: R29.7 X2.47
FPGA_CFG2V5_IO_R_2: R29.6 X2.49
FPGA_CFG2V5_IO_R_3: R29.5 X2.51
FPGA_CFG2V5_IO_R_4: R29.4 X2.55
FPGA_CFG2V5_IO_R_5: R29.3 X2.57
FPGA_CFG2V5_IO_R_6: R29.2 X2.59
FPGA_CFG2V5_IO_R_7: R29.1 X2.61
FPGA_CFG2V5_IO_R_8: R21.8 X2.65
FPGA_CFG2V5_IO_R_9: R21.7 X2.67
FPGA_CFG2V5_IO_R_10: R21.6 X2.69
FPGA_CFG2V5_IO_R_11: R21.5 X2.71
FPGA_CFG2V5_IO_R_12: R21.4 X2.75
FPGA_CFG2V5_IO_R_13: R21.3 X2.77
FPGA_CFG2V5_IO_R_14: R21.2 X2.46
FPGA_CFG2V5_IO_R_15: R21.1 X2.48
FPGA_CFG2V5_IO_R_16: R26.8 X2.50
FPGA_CFG2V5_IO_R_17: R26.7 X2.52
FPGA_CFG2V5_IO_R_18: R26.6 X2.56
FPGA_CFG2V5_IO_R_19: R26.5 X2.58
FPGA_CFG2V5_IO_R_20: R26.4 X2.60
FPGA_CFG2V5_IO_R_21: R26.3 X2.62
FPGA_CFG2V5_IO_R_22: R26.2 X2.66
FPGA_CFG2V5_IO_R_23: R26.1 X2.68
FPGA_CFG2V5_IO_R_24: R20.9 X2.70
FPGA_CFG2V5_IO_R_25: R20.10 X2.72
FPGA_CFG2V5_IO_R_26: R20.11 X2.76
FPGA_CFG2V5_IO_R_27: R20.12 X2.78
FPGA_DDR_A0: D2.AJ14 R40.8 U1.N3 U2.N3 | length 40.9
  Top Layer w0.15: v2(15.7,47.25) U1.N3@15.7,47.825 ; v2(15.7,62.325) U2.N3@15.7,62.9
  Top Layer w0.25: v1(34.5,61) D2.AJ14@35,60.5
  INT3 w0.11: v2(15.7,47.25) 15.7,49.1 15.25,49.55 15.25,50.175 15.375,50.3 15.375,50.9 15.175,51.1 15.175,54.275 v1(15.625,54.725) 15.125,55.225 15.125,56.375 15.3,56.55 15.3,57.95 15.7,58.35 15.7,59.45 16.1,59.85 16.1,60.75 15.7,61.15 v2(15.7,62.325)
  INT5 w0.11: v1(15.625,54.725) 15.625,54.475 16.1,54 17.875,54 18.125,54.25 18.125,54.975 18.35,55.2 27.875,55.2 33.15,60.475 33.975,60.475 v1(34.5,61)
FPGA_DDR_A1: D2.AK14 R40.7 U1.P7 U2.P7 | length 44.6
  Top Layer w0.15: U1.P7@14.9,44.625 v2(14.9,45.7) ; U2.P7@14.9,59.7 v2(14.9,60.775)
  Top Layer w0.25: v1(33.5,61) D2.AK14@34,60.5
  INT1 w0.11: v2(14.9,45.7) 15.375,46.175 15.375,46.9 15.275,47 15.275,47.55 15.8,48.075 15.8,48.425 15.2,49.025 15.2,50.125 15.375,50.3 15.375,50.925 15.15,51.15 15.15,52.2 v1(14.625,52.725) 15.125,53.225 15.125,56.05 15.325,56.25 15.325,57.275 14.9,57.7 v2(14.9,60.775)
  INT4 w0.11: v1(14.625,52.725) 14.625,52.5 15.075,52.05 15.075,51.25 16.3,50.025 18.175,50.025 19.75,51.6 21.425,51.6 24.7,54.875 25.525,54.875 31.65,61 v1(33.5,61)
FPGA_DDR_A2: D2.AH12 R40.6 U1.P3 U2.P3 | length 48.5
  Top Layer w0.15: v2(14.9,46.75) U1.P3@14.9,47.825 ; v2(14.9,61.825) U2.P3@14.9,62.9
  Top Layer w0.25: v1(35.5,63) D2.AH12@36,62.5
  INT1 w0.11: v2(14.9,46.75) 14.9,49.875 14.125,50.65 14.125,54.225 v1(14.625,54.725) 14.125,55.225 14.125,56.9 14.55,57.325 14.55,57.8 14.025,58.325 14.025,58.625 14.475,59.075 14.475,61.4 v2(14.9,61.825)
  INT5 w0.11: v1(14.625,54.725) 15.075,55.175 15.875,55.175 16.1,55.4 16.1,56.025 19,58.925 27.15,58.925 30.625,62.4 30.625,63.025 33.1,65.5 35.725,65.5 36,65.225 36,63.5 v1(35.5,63)
FPGA_DDR_A3: D2.AJ12 R40.5 U1.N2 U2.N2 | length 50.1
  Top Layer w0.15: U1.N2@15.7,48.625 v2(16.1,49.025) ; U2.N2@15.7,63.7 v2(16.1,64.1)
  Top Layer w0.25: v1(34.5,63) D2.AJ12@35,62.5
  INT1 w0.11: v2(16.1,64.1) 16.1,59.275 15.675,58.85 15.675,58.275 16.15,57.8 16.15,57.275 16,57.125 16,56.1 v1(15.625,55.725) 16.1,55.25 v2(16.1,49.025)
  INT4 w0.11: v1(15.625,55.725) 16.15,55.2 16.15,53.075 16.975,52.25 18.05,52.25 19.55,53.75 20.075,53.75 20.875,54.55 20.875,57.775 20.5,58.15 20.5,59.575 20.1,59.975 20.1,62.625 21.175,63.7 25.325,63.7 25.475,63.55 33.95,63.55 v1(34.5,63)